# Allegro board F103_TUBE_CLOCK_V10A.brd
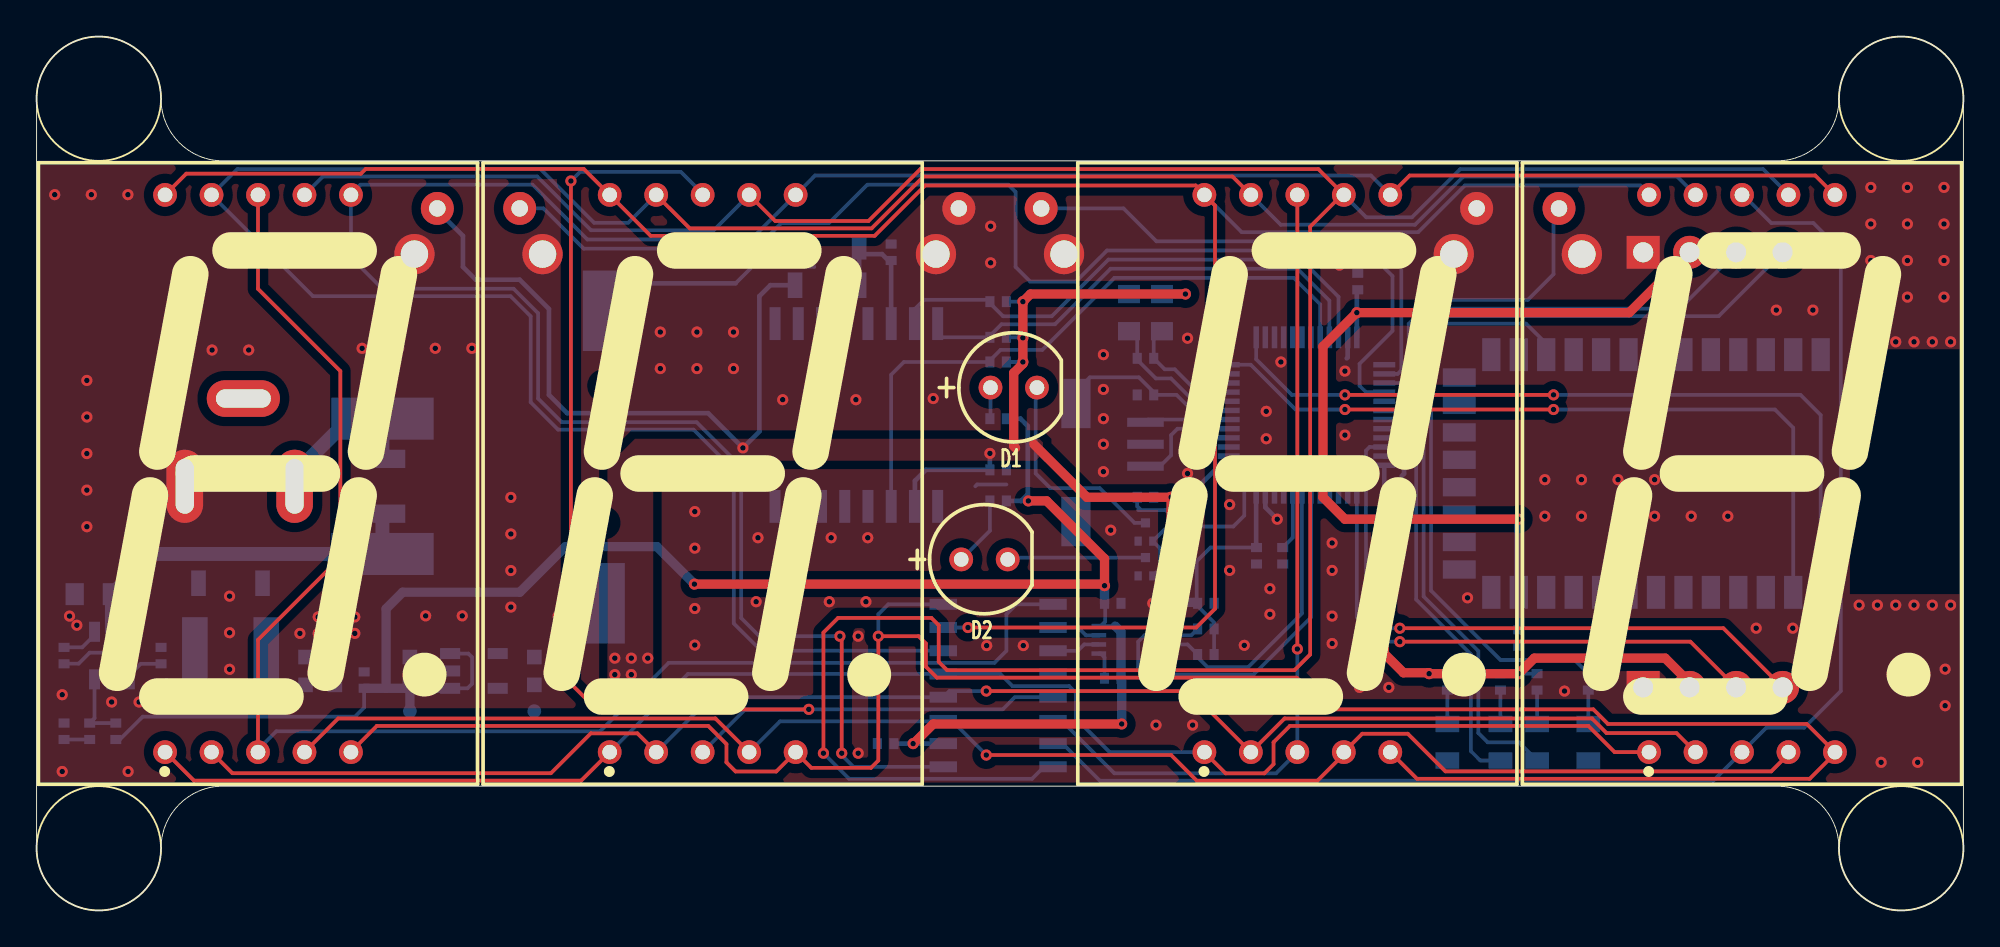
[diagram p0: board, top side]
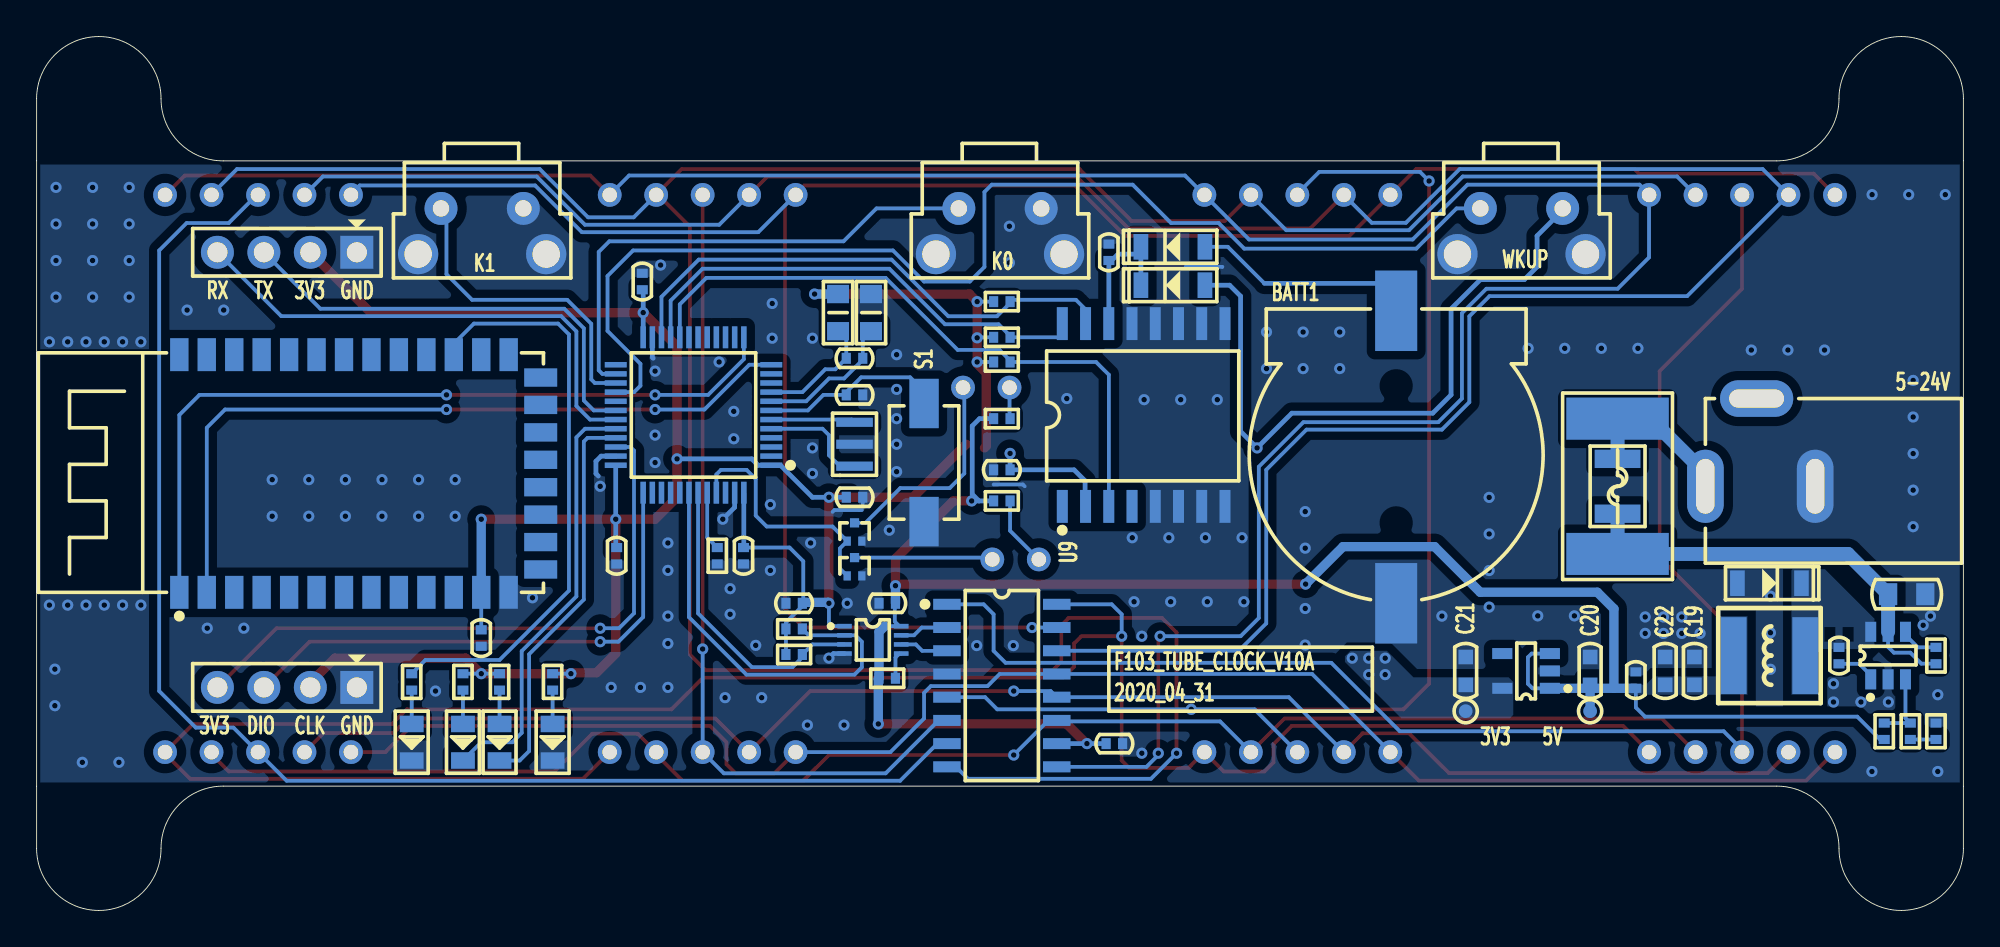
[diagram p1: board, bottom side, seen from below]

Outline 105.3 x 47.8 mm; copper layers: TOP, BOTTOM. Coordinates in mm from the lower left corner of the outline.
Outline path: 0,44.4 0,3.4 arc(1,1) 3.4,0 arc(5.8,1) 6.8,3.4 arc(7.8,5.8) 10.2,6.8 95.1,6.8 arc(97.5,5.8) 98.5,3.4 arc(99.5,1) 101.9,0 arc(104.3,1) 105.3,3.4 105.3,44.4 arc(104.3,46.8) 101.9,47.8 arc(99.5,46.8) 98.5,44.4 arc(97.5,42) 95.1,41 10.2,41 arc(7.8,42) 6.8,44.4 arc(5.8,46.8) 3.4,47.8 arc(1,46.8) 0,44.4

## Design rules (mm)
constraint set DEFAULT: min track width 0.203, pair gap 0.203

## Placement (name value [footprint] x y rotation side)
BATT1  -  [CR1220HOLDER-SMD]  31 24.8 0 bottom
C1  100nF_50V  [C0402]  63.9 16.8 180 bottom
C2  100nF_50V  [C0402]  58.81 16.8 180 bottom
C3  100nF_50V  [C0402]  46.4 9.12 180 bottom
C4  100nF_50V  [C0402]  73.6 19.4 90 bottom
C5  100nF_50V  [C0402]  66.67 19.4 90 bottom
C6  100nF_50V  [C0402]  81 14.9 90 bottom
C7  100nF_50V  [C0402]  72.2 34.4 270 bottom
C8  100nF_50V  [C0402]  60.6 30.2 0 bottom
C9  100nF_50V  [C0402]  60.6 28.2 180 bottom
C10  100nF_50V  [C0402]  52.55 24.1 180 bottom
C11  100nF_50V  [C0402]  46.7 36 90 bottom
C12  100nF_50V  [C0402]  60.6 22.6 0 bottom
C13  10nF_50V  [C0402]  6.8 13.94 90 bottom
C15  100nF_50V  [C0402]  17.9 12.6 90 bottom
C16  10uF_25V  [C0805]  3.1 17.3 180 bottom
C19  10uF_10V  [C0603]  14.7 13.1 90 bottom
C20  10uF_10V  [C0603]  20.4 13.1 90 bottom
C21  10uF_10V  [C0603]  27.2 13.1 90 bottom
C22  10uF_10V  [C0603]  16.3 13.1 90 bottom
D1  LED_GREEN  [LED-5R0X5R0]  53.4 28.6 0 top
D2  LED_GREEN  [LED-5R0X5R0]  51.8 19.2 0 top
D3  LED_GREEN  [LED0805]  82 9.2 270 bottom
D4  LED_GREEN  [LED0805]  80 9.2 270 bottom
D5  LED_GREEN  [LED0805]  77.1 9.2 270 bottom
D6  LED_GREEN  [LED0805]  84.8 9.2 270 bottom
D7  LMBR0520T1G  [SOD123]  10.6 17.9 0 bottom
D8  LMBR0520T1G  [SOD123]  43.2 34.2 180 bottom
D9  LMBR0520T1G  [SOD123]  43.2 36.3 180 bottom
DC1  -  [DC005]  8.1 23.2 0 bottom
F1  SMD150L  [FUSE2920]  18.9 23.2 270 bottom
F2  SMD1210-010-60V/NI  [FUSE1210]  18.9 23.2 270 bottom
J1  -  [CN1X4-2P54-Z]  87.8 12.2 0 bottom
J2  -  [CN1X4-2P54-Z]  87.8 36 0 bottom
L1  SWPA5020S4R7  [L5020]  10.6 13.94 0 bottom
L2  BLM21PG600  [L0805]  61.5 32.7 270 bottom
L3  BLM21PG600  [L0805]  59.7 32.7 270 bottom
NOREF  -  []  0 0 90 top
NOREF#2  -  []  0 0 0 top
NOREF#3  -  []  -0.21 0 0 top
Q1  DTC043ZMT2L  [SOT723]  60.6 18.8 180 bottom
Q2  DTC043ZMT2L  [SOT723]  60.6 20.7 180 bottom
R1  4.7K  [R0402]  63.9 14 180 bottom
R2  4.7K  [R0402]  63.9 15.4 180 bottom
R3  100K/NI  [R0402]  58.81 12.7 180 bottom
R5  1K  [R0402]  52.55 22.4 180 bottom
R6  1K  [R0402]  52.55 26.9 180 bottom
R8  10K  [R0402]  82 12.5 270 bottom
R9  10K  [R0402]  68.1 19.4 270 bottom
R10  10K  [R0402]  80 12.5 270 bottom
R12  10K  [R0402]  77.1 12.5 270 bottom
R13  4.7K  [R0402]  52.55 33.3 180 bottom
R14  4.7K  [R0402]  52.55 31.35 180 bottom
R15  10K  [R0402]  52.55 30 0 bottom
R16  10K  [R0402]  84.8 12.5 270 bottom
R19  100K  [R0402]  1.5 13.94 90 bottom
R20  49.9K  [R0402]  4.33 9.8 90 bottom
R21  6.2K  [R0402]  2.9 9.8 270 bottom
R22  10K  [R0402]  1.5 9.8 90 bottom
S1  3*6*2.5  [KEY-2P-SMD-6R2X3R8X2R5]  56.8 24.5 90 bottom
SW1  KEY1  [SW-6X6X6-L]  21.9 38.4 0 bottom
SW2  KEY1  [SW-6X6X6-L]  50.4 38.4 0 bottom
SW3  KEY1  [SW-6X6X6-L]  78.7 38.4 0 bottom
TP1  TestPoint/NI  [TP-0R75]  20.4 10.9 180 bottom
TP2  TestPoint/NI  [TP-0R75]  27.2 10.9 180 bottom
U2  -  [ST72151105W]  12.1 23.9 0 top
U3  -  [ST72151105W]  36.4 23.9 0 top
U4  -  [ST72151105W]  68.9 23.9 0 top
U5  -  [ST72151105W]  93.2 23.9 0 top
U6  TCA9517ADGKR  [VSSOP8]  59.6 14.8 270 bottom
U7  TM1650  [SOP16_150]  52.55 12.3 270 bottom
U8  -  [HC-06]  97.5 17.4 90 bottom
U9  DS3231SN#  [SOIC16_300]  44.8 27.1 180 bottom
U10  MP2359DJ-LF-Z  [SOT23-6]  4.12 13.94 180 bottom
U11  RT9193-33GB  [SOT23-5]  23.9 13.1 90 bottom
U12  STM32F103C8T6  [LQFP48-7X7-0R5]  69.4 27.1 90 bottom
X1  CSTCE8M00G15C99-R0  [X-3P-3R2X1R3-SMD]  60.6 25.5 90 bottom

## Library data of the parts
BATT1 = JMP-2_0
C1-C8 C10-C13 = CAP NP_2
C9 C15 C19-C22 = CAP NP
C16 = CAP NP_3
D1-D6 = LED_4
D7-D9 = DIODE13_7
DC1 = DC005
F1 F2 = FUSE
J1 J2 = CONN RCPT 4
L1 = INDUCTOR_0
L2 L3 = IND_BEAD_0805_600OHM_1
Q1 Q2 = DTC043ZMT2L
R1-R3 R5 R6 R8-R10 R12-R16 R19-R22 = R_Generic
S1 = SW PUSHBUTTON_0
SW1-SW3 = SWITCH-SPST-4P
TP1 TP2 = TestPoint
U2-U5 = ST72151105W_0
U6 = TCA9517ADGKR
U7 = TM1650
U8 = HC-06_0
U9 = DS3131SN+
U10 = MP2359DJ-LF-Z
U11 = SPX3819M5-L-1-2
U12 = STM32F103C8T6
X1 = XTAL_5032_0

## Footprints (pads in the part's own frame, mm; a bottom-side part is the same pattern mirrored in y, then rotated)
C0402
  rect 0.5x0.6 smd: 1(-0.45,0) 2(0.45,0)
C0603
  rect 0.8x0.8 smd: 1(-0.762,0) 2(0.762,0)
C0805
  rect 1x1.2 smd: 1(-1.016,0) 2(1.016,0)
CN1X4-2P54-Z
  rect 1.8x1.8 hole 1.1: 1(0,0)
  round 1.8 hole 1.1: 2(2.54,0) 3(5.08,0) 4(7.62,0)
CR1220HOLDER-SMD
  rect 2.3x4.4 smd: 1(0,-8) 2(0,8)
DC005
  oval 2x4 hole 1x3: 1(6,0) 2(0,0)
  oval 4x2 hole 3x1: 3(3.2,-4.8)
FUSE1210
  rect 1x2.5 smd: 1(-1.5,0) 2(1.5,0)
FUSE2920
  rect 2.3x5.6 smd: 1(-3.7,0) 2(3.7,0)
HC-06
  rect 1.8x1 smd: 1(0,0) 2(0,-1.5) 3(0,-3) 4(0,-4.5) 5(0,-6) 6(0,-7.5) 7(0,-9) 8(0,-10.5) 9(0,-12) 10(0,-13.5) 11(0,-15) 12(0,-16.5) 13(0,-18) 22(13,-18) 23(13,-16.5) 24(13,-15) 25(13,-13.5) 26(13,-12) 27(13,-10.5) 28(13,-9) 29(13,-7.5) 30(13,-6) 31(13,-4.5) 32(13,-3) 33(13,-1.5) 34(13,0)
  rect 1x1.8 smd: 14(1.25,-19.75) 15(2.75,-19.75) 16(4.25,-19.75) 17(5.75,-19.75) 18(7.25,-19.75) 19(8.75,-19.75) 20(10.25,-19.75) 21(11.75,-19.75)
KEY-2P-SMD-6R2X3R8X2R5
  rect 2.7x1.6 smd: 1(-3.23,0) 2(3.23,0)
L0805
  rect 1x1.2 smd: 1(-1.016,0) 2(1.016,0)
L5020
  rect 1.4x4.2 smd: 1(-1.95,0) 2(1.95,0)
LED0805
  rect 0.9x1.3 smd: 1(-1,0) 2(1,0)
LED-5R0X5R0
  round 1.3 hole 0.8: 1(-1.27,0) 2(1.27,0)
LQFP48-7X7-0R5
  rect 0.3x1.2 smd: 1(-2.75,-4.25) 2(-2.25,-4.25) 3(-1.75,-4.25) 4(-1.25,-4.25) 5(-0.75,-4.25) 6(-0.25,-4.25) 7(0.25,-4.25) 8(0.75,-4.25) 9(1.25,-4.25) 10(1.75,-4.25) 11(2.25,-4.25) 12(2.75,-4.25) 25(2.75,4.25) 26(2.25,4.25) 27(1.75,4.25) 28(1.25,4.25) 29(0.75,4.25) 30(0.25,4.25) 31(-0.25,4.25) 32(-0.75,4.25) 33(-1.25,4.25) 34(-1.75,4.25) 35(-2.25,4.25) 36(-2.75,4.25)
  rect 1.2x0.3 smd: 13(4.25,-2.75) 14(4.25,-2.25) 15(4.25,-1.75) 16(4.25,-1.25) 17(4.25,-0.75) 18(4.25,-0.25) 19(4.25,0.25) 20(4.25,0.75) 21(4.25,1.25) 22(4.25,1.75) 23(4.25,2.25) 24(4.25,2.75) 37(-4.25,2.75) 38(-4.25,2.25) 39(-4.25,1.75) 40(-4.25,1.25) 41(-4.25,0.75) 42(-4.25,0.25) 43(-4.25,-0.25) 44(-4.25,-0.75) 45(-4.25,-1.25) 46(-4.25,-1.75) 47(-4.25,-2.25) 48(-4.25,-2.75)
R0402
  rect 0.5x0.6 smd: 1(-0.45,0) 2(0.45,0)
SOD123
  rect 0.8x1.4 smd: 1(1.75,0) 2(-1.75,0)
SOIC16_300
  rect 0.6x1.8 smd: 1(-4.445,-5) 2(-3.175,-5) 3(-1.905,-5) 4(-0.635,-5) 5(0.635,-5) 6(1.905,-5) 7(3.175,-5) 8(4.445,-5) 9(4.445,5) 10(3.175,5) 11(1.905,5) 12(0.635,5) 13(-0.635,5) 14(-1.905,5) 15(-3.175,5) 16(-4.445,5)
SOP16_150
  rect 0.6x1.5 smd: 1(-4.445,-3) 2(-3.175,-3) 3(-1.905,-3) 4(-0.635,-3) 5(0.635,-3) 6(1.905,-3) 7(3.175,-3) 8(4.445,-3) 9(4.445,3) 10(3.175,3) 11(1.905,3) 12(0.635,3) 13(-0.635,3) 14(-1.905,3) 15(-3.175,3) 16(-4.445,3)
SOT23-5
  rect 0.6x1.1 smd: 1(-0.95,-1.3) 2(0,-1.3) 3(0.95,-1.3) 4(0.95,1.3) 5(-0.95,1.3)
SOT23-6
  rect 0.6x1.1 smd: 1(-0.95,-1.3) 2(0,-1.3) 3(0.95,-1.3) 4(0.95,1.3) 5(0,1.3) 6(-0.95,1.3)
SOT723
  rect 0.4x0.5 smd: 1(-0.4,-0.5) 2(0.4,-0.5)
  rect 0.5x0.5 smd: 3(0,0.5)
ST72151105W
  round 1.3 hole 0.8: 1(-5.08,-15.24) 2(-2.54,-15.24) 3(0,-15.24) 4(2.54,-15.24) 5(5.08,-15.24) 6(5.08,15.24) 7(2.54,15.24) 8(0,15.24) 9(-2.54,15.24) 10(-5.08,15.24)
SW-6X6X6-L
  round 2.2 hole 1.5: 1(-1.25,2.5) 4(5.75,2.5)
  round 1.8 hole 0.9: 2(0,0) 3(4.5,0)
TP-0R75
  round 0.75 smd: 1(0,0)
VSSOP8
  rect 0.25x0.8 smd: 1(-0.75,-1.55) 2(-0.25,-1.55) 3(0.25,-1.55) 4(0.75,-1.55) 5(0.75,1.55) 6(0.25,1.55) 7(-0.25,1.55) 8(-0.75,1.55)
X-3P-3R2X1R3-SMD
  rect 0.5x2 smd: 1(-1.2,0) 2(0,0) 3(1.2,0)

## Nets
GND: BATT1.2 C1.1 C2.1 C3.2 C4.1 C5.1 C6.1 C7.1 C9.2 C10.1 C11.2 C12.1 C15.2 C16.2 C19.2 C20.2 C21.2 C22.2 D5.2(CATHODE) D6.2(CATHODE) D7.1 DC1.2 J1.1 J2.1 L3.1 Q1.2 Q2.2 R9.2 R22.2 S1.1 SW1.1 SW1.4 SW2.1 SW2.2 SW2.4 SW3.1 SW3.2 SW3.4 U6.4 U7.4 U8.13 U9.5 U9.6 U9.7 U9.8 U9.9 U9.10 U9.11 U9.12 U9.13 U10.2 U11.2 U12.23 U12.35 U12.47(VSS_3) X1.2
VCC_3.3V: C1.2 C4.2 C5.2 C6.2 C7.2 C10.2 C12.2 C21.1 D8.1 J1.2 J2.2 L2.1 R1.1 R2.1 R8.1 R10.1 R12.1 R13.1 R14.1 R15.2 SW1.2 TP2.1 U6.1 U8.12(VCC) U9.2(VCC_2) U11.5(VOUT) U12.1 U12.24 U12.36 U12.48
VCC_5V: C2.2 C3.1 C15.1 C19.1 C20.1 C22.1 L1.2 R3.1 R5.1 R6.1 R20.1 TP1.1 U6.8(VCC_B) U7.10(VDD) U11.1 U11.3
VCC_IN: C16.1 F1.2 F2.2 R19.1 U10.5
VDDA: C8.2 L2.2(B) U12.9
VSSA: C8.1 L3.2(B) U12.8
A: U2.7 U3.7 U4.7 U5.7 U7.8
B: U2.6 U3.6 U4.6 U5.6 U7.9
BOOT0: R9.1 U12.44
C: U2.4 U3.4 U4.4 U5.4 U7.11
D: U2.2 U3.2 U4.2 U5.2 U7.12
DIG1: U2.3 U2.8 U7.1
DIG2: U3.3 U3.8 U7.5
DIG3: U4.3 U4.8 U7.6
DIG4: U5.3 U5.8 U7.7
DP: U2.5 U3.5 U4.5 U5.5 U7.16
DP_LED: Q1.1 Q2.1 U12.45
DS3231_INT#: R15.1 U9.3 U12.20
DS3231_SCL: R14.2 U9.16 U12.21
DS3231_SDA: R13.2 U9.15 U12.22
E: U2.1 U3.1 U4.1 U5.1 U7.13
F: U2.9 U3.9 U4.9 U5.9 U7.14
G: U2.10(G) U3.10(G) U4.10(G) U5.10(G) U7.15
IIC_SCL: R2.2 U6.2 U12.42
IIC_SDA: R1.2 U6.3 U12.43
KEY0: SW2.3 U12.26
KEY1: SW3.3 U12.27
LED0: D3.2(CATHODE) U12.32
LED1: D4.2(CATHODE) U12.33
NRST: C9.1 S1.2 U12.7
OSC_IN: U12.5 X1.1
OSC_OUT: U12.6 X1.3
SWCLK: J1.3 U12.37
SWDIO: J1.4 U12.34
TM1650_SCL: U6.7 U7.2
TM1650_SDA: U6.6 U7.3
USART1_RX: J2.4 U12.31
USART1_TX: J2.3 U12.30
USART2_RX: U8.1 U12.13
USART2_TX: U8.2 U12.12
WK_UP: SW1.3 U12.28
N17026698: D4.1 R10.2
N17026724: D5.1 R12.2
N17062865: D3.1 R8.2
N17067272: C13.2 D7.2(CATHODE) L1.1 U10.6(SW)
N17067274: C13.1 U10.1
N17067388: R20.2 R21.1 U10.3
N17067392: R19.2 U10.4
N17068207: R21.2 R22.1
N17069780: D6.1 R16.2
N17069783: R16.1 U8.24
N17087771: C11.1 D8.2(CATHODE) D9.2(CATHODE) U9.14
N17089700: R3.2 U6.5
N17094891: DC1.1 F1.1 F2.1
N17114620: BATT1.1 D9.1
N170995481: D2.1 R5.2
N170995561: D2.2(CATHODE) Q1.3
N170997971: D1.1 R6.2
N170998051: D1.2(CATHODE) Q2.3

Pads without a net: DC1 3; U8 3 4 5 6 7 8 9 10 11 14 15 16 17 18 19 20 21 22 23 25 26 27 28 29 30 31 32 33 34; U9 1 4; U11 4; U12 2 3 4 10 11 14 15 16 17 18 19 25 29 38 39 40 41 46

## Via types
v1: diameter 0.61, hole 0.305, TOP to BOTTOM, 194 vias

## Routing (per net, layer and track width the routed paths; a pad name or vN(x,y) marks a point on that pad's centre or on a via; arc(x,y) is an arc through that point)
GND: length 12.1
  BOTTOM w0.203: 60.35,21.9 60.15,22.1 C12.1 ; 60.35,21.9 61.7,21.9 61.8,21.8 ; 60.35,21.9 60.2,21.9 ; 42.5,35.2 42.5,35.2 40.5,35.2 40.5,35.2 ; 51.3,23.2 51.4,23.3 53,23.3
  BOTTOM w0.254: 71.6,30.2 71.65,30.25 U12.23 ; 74.6,23.76 74.73,23.89 74.73,24.57 74.45,24.85 U12.35 ; v1(67.8,21.4) 67.15,22.05 U12.47 ; U6.4 61.75,14.05 v1(62,13.8)
  vias: v1(0.99,39.15) v1(1.4,11.8) v1(1.4,7.6) v1(1.8,16.1) v1(2.2,15.6) v1(2.75,28.99) v1(2.75,26.99) v1(2.75,24.99) v1(2.75,22.99) v1(2.75,20.99) v1(2.99,39.15) v1(4.1,11.4) v1(4.99,39.15) v1(5,7.6) v1(5.6,11.4) v1(7.1,12.4) v1(7.1,11.4) v1(7.59,30.65) v1(9.59,30.65) v1(10.55,17.19) v1(10.55,15.19) v1(10.55,13.19) v1(11.59,30.65) v1(14.39,15.15) v1(15.39,16.05) v1(15.39,15.15) v1(16.39,16.05) v1(16.39,15.15) v1(17.39,16.05) v1(17.39,15.15) v1(17.79,30.75) v1(19.79,30.75) v1(21.26,16.11) v1(21.79,30.75) v1(23.26,16.11) v1(23.79,30.75) v1(25.92,22.59) v1(25.92,20.59) v1(25.92,18.59) v1(25.92,16.59) v1(28.5,16.1) v1(34.09,31.64) v1(34.09,29.64) v1(35.97,21.82) v1(35.97,19.82) v1(35.97,16.52) v1(35.97,14.52) v1(36.09,31.64) v1(36.09,29.64) v1(38.09,31.64) v1(38.09,29.64) v1(39.32,16.89) v1(39.42,20.39) v1(40.77,27.94) v1(41.32,16.89) v1(41.42,20.39) v1(42.77,27.94) v1(43.32,16.89) v1(43.42,20.39) v1(44.77,27.94) v1(44.9,15) v1(44.9,8.6) v1(45.32,16.89) v1(45.42,20.39) v1(49,28) v1(51.92,14.49) v1(52.14,37.42) v1(52.14,35.42) v1(53.92,14.49) v1(58.3,30.4) v1(58.3,28.5) v1(58.3,26.9) v1(58.3,25.5) v1(58.3,24) v1(58.7,20.8) v1(61,16.8) v1(61.17,10.14) v1(62.9,31.3) v1(62.9,25.3) v1(62.9,23.9) v1(63,20.1) v1(63.17,10.14) v1(65.1,33.2) v1(65.1,31.3) v1(65.2,22.2) v1(65.2,18.6) v1(65.67,11.64) v1(66,14.5) v1(67.2,27.3) v1(67.2,25.8) v1(67.4,17.6) v1(67.4,16.2) v1(67.67,11.64) v1(68,30) v1(70.8,20.1) v1(70.8,18.6) v1(70.8,16.1) v1(70.8,14.6) v1(70.8,12.2) v1(71.2,35.3) v1(71.5,29.5) v1(71.5,26) v1(71.5,24.5) v1(72.3,12.2) v1(73.9,12.2) v1(74.5,23.2) v1(78.2,17.1) v1(82.43,23.56) v1(82.43,21.56) v1(83.5,12) v1(84.43,23.56) v1(84.43,21.56) v1(86.43,23.56) v1(86.43,21.56) v1(88.43,23.56) v1(88.43,21.56) v1(90.43,23.56) v1(90.43,21.56) v1(92.43,23.56) v1(92.43,21.56) v1(93.97,15.44) v1(95.08,32.84) v1(95.97,15.44) v1(97.08,32.84) v1(99.6,31.1) v1(99.6,16.7) v1(100.24,39.55) v1(100.24,37.55) v1(100.24,35.55) v1(100.24,33.55) v1(100.6,31.1) v1(100.6,16.7) v1(100.8,8.1) v1(101.6,31.1) v1(101.6,16.7) v1(102.24,39.55) v1(102.24,37.55) v1(102.24,35.55) v1(102.24,33.55) v1(102.6,31.1) v1(102.6,16.7) v1(102.8,8.1) v1(103.6,31.1) v1(103.6,16.7) v1(104.24,39.55) v1(104.24,37.55) v1(104.24,35.55) v1(104.24,33.55) v1(104.3,13.2) v1(104.3,11.2) v1(104.6,31.1) v1(104.6,16.7)
VCC_3.3V: length 189.7
  TOP w0.508: J1.2 90.34,12.46 89,13.8 81.85,13.8 v1(81,12.95) v1(76.1,12.95) 76.05,13 74.7,13 73.65,14.05 v1(73.65,21.4) ; v1(73.65,21.4) v1(81,21.4) ; v1(73.65,21.4) 71.5,21.4 70.3,22.6 v1(70.3,24.7) 70.3,30.85 v1(72.15,32.7) 87.04,32.7 J2.2 ; v1(62.78,33.72) 54.32,33.72 v1(53.9,33.3) v1(53.9,31.32) v1(53.9,30) 53.9,29.9 53.4,29.4 53.4,25.4 53.5,25.3 ; v1(62,16.8) v1(62,22.6) 57.4,22.6 54.5,25.5
  BOTTOM w0.203: R12.1 v1(76.1,12.95) ; 63.4,16.85 63.4,19.1 64.15,19.85 C5.2 ; v1(53.9,31.32) 53.87,31.35 R14.1 ; R15.2 v1(53.9,30) ; U6.1 61.8,15.55 62,15.75 v1(62,16.8) C1.2 63.45,16.65 64.35,15.75 R2.1 R1.1 ; R13.1 v1(53.9,33.3) ; C6.2 U8.12 ; R10.1 v1(81,12.95) R8.1
  BOTTOM w0.254: U12.36 v1(73.65,21.4) 73.65,19.9 C4.2 ; v1(70.3,24.7) 66.22,24.7 65.87,24.35 U12.1 64.65,24.35 62.9,22.6 v1(62,22.6) C12.2 ; v1(52.1,25) C10.2 48.6,24.1 48,23.5 48,22.12 47.98,22.1 ; U12.48 66.65,19.87 C5.2 ; C7.2 72.15,33.9 v1(72.15,32.7) U12.24 ; D8.1 40.1,34.2 39.5,33.6 39.5,26.2 v1(38.6,25.3) 36.7,27.2 29,27.2 28,28.2 28,32.9 26.4,34.5 24,34.5 23.3,35.2 23.3,36.9 21.9,38.3 SW1.2
  BOTTOM w0.508: 63.4,16.85 62.05,16.85 v1(62,16.8) ; U8.12 v1(81,21.4) ; L2.1 v1(62.78,33.72)
  vias: v1(31.6,13.8) v1(31.6,12.9) v1(32.5,13.8) v1(32.5,12.9) v1(33.4,13.8)
VCC_5V: length 108.6
  TOP w0.203: v1(59.3,10.2) 59.2,10.2
  TOP w0.508: v1(54.2,22.4) 55.2,22.4 58.36,19.24 v1(58.36,17.76) 58.27,17.85 v1(35.95,17.85) ; v1(47.9,9.12) 47.92,9.12 49,10.2 59.2,10.2
  BOTTOM w0.203: C15.1 17.9,11.1 17.4,10.6 5.8,10.6 4.55,9.35 R20.1 ; C2.2 58.4,16.76 58.4,15.8 58.15,15.55 ; U11.1 23.55,12.15 23.8,12.4 23.8,13.85 23.6,14.05 U11.3 ; U6.8 58.15,15.55 ; 58.15,15.55 58.95,15.55
  BOTTOM w0.254: v1(54.2,22.4) 53.8,22.4 ; 53.8,22.4 R5.1 ; 53.8,22.4 54.17,22.77 54.17,26.5 53.77,26.9 R6.1 ; U7.10 v1(47.9,9.12) C3.1
  BOTTOM w0.508: C20.1 20.59,12.15 U11.1 ; C20.1 20.21,12.15 19.1,12.15 ; C20.1 TP1.1 ; 19.1,12.15 19.1,16.5 20.01,17.41 26.41,17.41 28.9,19.9 33.9,19.9 v1(35.95,17.85) ; 19.1,12.15 C15.1 ; v1(59.3,10.2) 59.3,12.66 R3.1 59.26,15.24 58.95,15.55 ; v1(58.36,17.76) C2.2
VCC_IN: length 23.8
  BOTTOM w0.203: R19.1 1.51,13.5 2.3,13.5 2.9,14.1 3.8,14.1 4.12,14.42 U10.5
  BOTTOM w0.762: U10.5 C16.1 6.32,19.5 F1.2 F2.2
VDDA: length 6.5
  BOTTOM w0.203: U12.9 63.45,28.35 62.2,29.6 61.65,29.6 C8.2 61.05,31.23 L2.2
VSSA: length 7.7
  BOTTOM w0.203: U12.8 63.24,27.85 61.99,29.1 61.17,29.1 60.15,30.12 C8.1 60.15,31.23 L3.2
A: length 163.7
  TOP w0.203: U3.7 40.37,37.71 45.46,37.71 48.3,40.55 70.05,40.55 71.44,39.16 U4.7 71.34,39.14 69.6,37.4 69.6,14 68.74,13.14 49.76,13.14 49.3,13.6 49.3,15.6 48.9,16 43.8,16 43,15.2 v1(43,8.6)
  BOTTOM w0.203: U5.7 95.74,39.16 94.35,40.55 77.8,40.55 75.16,37.91 72.67,37.91 U4.7 ; v1(43,8.6) 44.4,7.2 54.4,7.2 55.05,7.86 U7.8 ; U2.7 15.65,40.15 27.36,40.15 30.3,37.21 37.01,37.21 U3.7
B: length 144
  TOP w0.203: U5.6 98.26,39.14 97.2,40.2 75.04,40.2 U4.6 ; v1(43.9,15) 44,14.9 v1(44,8.6)
  BOTTOM w0.203: U7.9 44.65,7.86 44,8.5 v1(44,8.6) ; U4.6 72.92,40.2 42.54,40.2 U3.6 39.04,36.7 30.1,36.7 27.1,39.7 17.7,39.7 17.18,39.18 U2.6 17.18,35.72 18.89,34.01 26.07,34.01 27.41,32.67 27.41,28 28.7,26.71 36.07,26.71 38.51,24.27 38.51,15.99 39.5,15 v1(43.9,15)
BOOT0: length 3.2
  BOTTOM w0.203: U12.44 68.65,20.4 R9.1
C: length 87.2
  TOP w0.203: U5.4 95.74,8.55 94.8,7.61 76.99,7.61 74.93,9.67 72.45,9.67 U4.4 71.44,8.54 69.99,7.09 63.41,7.09 62,8.5 v1(51.9,8.5) ; U3.4 37.1,10.5 16.48,10.5 U2.4
  BOTTOM w0.203: v1(51.9,8.5) 50.01,10.39 U7.11 49.49,10.34 40.62,10.34 U3.4
D: length 87.2
  TOP w0.203: U2.2 9.56,8.65 10.7,7.51 28.11,7.51 30.29,9.69 32.83,9.69 U3.2 ; v1(51.9,12) 63.02,12 U4.2 68.2,10.5 85,10.5 85.8,9.7 89.62,9.7 U5.2
  BOTTOM w0.203: v1(51.9,12) 49.88,12 49.55,11.66 36.87,11.66 U3.2
DIG1: length 82.3
  TOP w0.203: U2.8 12.1,34 16.6,29.5 16.6,19.3 12.1,14.8 U2.3
  BOTTOM w0.203: U2.3 12.1,8.8 13.1,9.8 30.8,9.8 34.54,13.54 52.34,13.54 53,14.2 53,16.2 53.55,16.75 U7.1
DIG2: length 73
  TOP w0.203: v1(42.2,11) 30.6,11 29.2,12.4 v1(29.2,39.9)
  BOTTOM w0.203: v1(42.2,11) 42.16,10.96 38.7,10.96 ; v1(42.2,11) 38.74,11 38.7,10.96 ; v1(42.2,11) 52.8,11 53.47,11.66 55.55,11.66 ; 38.7,10.96 U3.3 ; U3.8 36.4,39.2 35.2,40.4 29.7,40.4 v1(29.2,39.9)
DIG3: length 45.5
  TOP w0.203: v1(68.9,14.3) U4.8
  BOTTOM w0.203: v1(68.9,14.3) U4.3 67.74,7.5 58.9,7.5 56.01,10.39 U7.6
DIG4: length 76.7
  BOTTOM w0.203: U5.8 93.26,39.14 94.8,37.6 97.1,37.6 98.6,36.1 98.6,12 96.6,10 94.54,10 U5.3 91.63,7.09 58.11,7.09 56.08,9.12 U7.7
DP: length 125
  TOP w0.203: U4.5 75.44,7.2 96.9,7.2 98.28,8.58 U5.5 96.74,10.2 85.87,10.2 85.07,11 70.6,11 68.87,12.73 49.2,12.73 48.6,13.33 48.6,14.6 48.2,15 v1(46,15) 46,8.2 45.6,7.8 42.34,7.8 U3.5 40.42,7.6 38.2,7.6 37.7,8.1 37.7,9.1 36.71,10.09 18.59,10.09 17.18,8.68 U2.5
  BOTTOM w0.203: U7.16 46.55,16.75 46,16.2 v1(46,15)
DP_LED: length 13.3
  BOTTOM w0.203: U12.45 68.15,23.85 67.9,24.1 66.5,24.1 66,23.6 66,21.6 65.4,21 61.8,21 Q2.1 61.4,19.8 61.4,18.7 Q1.1
DS3231_INT#: length 35.3
  BOTTOM w0.203: U9.3 46.7,22.11 46.7,29.3 47.4,30 R15.1 52.1,30.08 52.68,30.66 54.96,30.66 58.9,34.6 68.7,34.6 70.15,33.15 U12.20
DS3231_SCL: length 26.4
  BOTTOM w0.203: U9.16 49.24,31.55 49.45,31.35 R14.2 52.1,31.43 52.73,32.06 55.66,32.06 58.69,35.1 68.91,35.1 70.65,33.36 U12.21
DS3231_SDA: length 28.9
  BOTTOM w0.203: 47.98,32.1 47.98,32.88 48.5,33.4 52,33.4 R13.2 52.1,33.22 52.82,32.5 55.47,32.5 58.57,35.6 69.11,35.6 71.15,33.56 U12.22
E: length 89.6
  TOP w0.203: U4.1 64.98,7.5 67.1,7.5 67.6,8 67.6,9.2 68.49,10.09 84.81,10.09 86.24,8.66 U5.1 ; U2.1 7.04,8.66 8.6,7.1 29.76,7.1 U3.1
  BOTTOM w0.203: U3.1 35.59,12.94 U7.13 52.66,12.94 53.33,12.27 56.43,12.27 56.8,11.9 56.8,10.5 58.64,8.66 U4.1
F: length 146.1
  TOP w0.203: U3.9 35.69,37.31 45.63,37.31 48.47,40.15 65.35,40.15 U4.9
  BOTTOM w0.203: U4.9 67.99,37.51 75.33,37.51 77.97,40.15 89.65,40.15 U5.9 ; U7.14 39.59,14.21 38.1,15.7 38.1,24.1 35.9,26.3 28.5,26.3 27,27.8 27,32.5 25.9,33.6 15.1,33.6 U2.9 10.97,40.55 27.53,40.55 30.47,37.61 32.33,37.61 U3.9
G: length 124.9
  TOP w0.203: U2.10 8.18,40.3 17.73,40.3 17.99,40.56 29.9,40.56 U3.10 33.56,36.9 45.8,36.9 48.56,39.66 63.34,39.66 63.82,39.18 U4.10 64.4,38.56 64.4,16.5 63.38,15.47 v1(50.9,15.47)
  BOTTOM w0.203: U5.10 88.12,39.18 87.64,39.66 78.06,39.66 75.5,37.1 65.86,37.1 U4.10 ; v1(50.9,15.47) U7.15
IIC_SCL: length 22.7
  BOTTOM w0.203: R2.2 63.1,15.05 U6.2 60.55,15.05 60.2,14.7 60.2,13.3 60.6,12.9 66.51,12.9 69.65,16.04 U12.42
IIC_SDA: length 16.4
  BOTTOM w0.203: U12.43 69.15,16.25 66.21,13.31 63.99,13.31 63.45,13.85 R1.2 62.9,14.55 U6.3
KEY0: length 28.2
  BOTTOM w0.203: SW2.3 59.4,38.4 61.2,36.6 74,36.6 74.58,36.02 74.58,29.55 74.38,29.35 U12.26
KEY1: length 17.2
  BOTTOM w0.203: U12.27 74.79,28.85 74.99,29.05 74.99,32.09 76.3,33.4 81.5,33.4 82.9,34.8 82.9,38.1 SW3.3
LED0: length 23.6
  BOTTOM w0.203: U12.32 75.32,26.35 75.8,25.87 75.8,17.17 78.79,14.19 78.79,9.71 79.3,9.2 81,9.2 D3.2
LED1: length 21.8
  BOTTOM w0.203: D4.2 78.9,8.2 78.38,8.72 78.38,14.02 75.39,17.01 75.39,25.65 75.19,25.85 U12.33
NRST: length 10.2
  BOTTOM w0.203: U12.7 63.15,27.35 62.3,28.2 C9.1 61.05,28.35 60.24,29.16 57.56,29.16 56.8,28.4 S1.2
OSC_IN: length 6
  BOTTOM w0.203: X1.1 61.4,24.3 62,24.9 62,26 62.35,26.35 U12.5
OSC_OUT: length 4.6
  BOTTOM w0.203: U12.6 60.75,26.85 X1.3
SWCLK: length 29.1
  TOP w0.203: v1(74.5,14.7) 90.38,14.7 J1.3
  BOTTOM w0.203: U12.37 72.15,16.05 73.5,14.7 v1(74.5,14.7)
SWDIO: length 34.4
  TOP w0.203: v1(74.5,15.44) 92.18,15.44 J1.4
  BOTTOM w0.203: v1(74.5,15.44) 73.47,15.44 72.65,16.26 72.65,25.15 72.85,25.35 U12.34
TM1650_SCL: length 2.7
  BOTTOM w0.203: U7.2 56.92,15.47 57.35,15.05 U6.7
TM1650_SDA: length 2.6
  BOTTOM w0.203: U7.3 55.55,14.2 56.9,14.2 57.25,14.55 U6.6
USART1_RX: length 28
  BOTTOM w0.203: U12.31 75.06,26.85 75.8,27.59 75.8,31.67 76.63,32.51 91.93,32.51 J2.4
USART1_TX: length 25.1
  BOTTOM w0.203: J2.3 89.79,32.91 76.46,32.91 75.39,31.84 75.39,27.89 74.85,27.35 U12.30
USART2_RX: length 43
  TOP w0.203: v1(82.9,28.2) v1(71.5,28.2)
  BOTTOM w0.203: v1(82.9,28.2) 96.4,28.2 97.5,27.1 U8.1 ; v1(71.5,28.2) 68.6,28.2 66.65,30.15 U12.13
USART2_TX: length 41.3
  TOP w0.203: v1(82.9,27.4) v1(71.5,27.4)
  BOTTOM w0.203: v1(82.9,27.4) 95,27.4 96,26.4 U8.2 ; U12.12 66.35,29.85 68.8,27.4 v1(71.5,27.4)
WK_UP: length 64.2
  BOTTOM w0.203: U12.28 72.65,28.35 72.3,28.7 72.3,29.9 74.1,31.7 74.1,34.7 72.7,36.1 58.5,36.1 56.8,34.4 54.3,34.4 53.5,35.2 53.5,39.3 53.1,39.7 45.4,39.7 43.3,37.6 40.7,37.6 39.3,36.2 29.9,36.2 27.7,38.4 SW1.3
N17026698: length 1.9
  BOTTOM w0.203: D4.1 R10.2
N17026724: length 1.9
  BOTTOM w0.203: D5.1 R12.2
N17062865: length 1.9
  BOTTOM w0.203: D3.1 R8.2
N17067274: length 2.2
  BOTTOM w0.203: C13.1 5.69,13.49 5.07,12.87 U10.1
N17067388: length 3.9
  BOTTOM w0.203: R20.2 R21.1 3.17,10.52 U10.3
N17067392: length 2.1
  BOTTOM w0.203: R19.2 2.49,14.39 3.17,15.07 U10.4
N17068207: length 1.4
  BOTTOM w0.203: R22.1 R21.2
N17069780: length 1.9
  BOTTOM w0.203: D6.1 R16.2
N17069783: length 32.1
  BOTTOM w0.203: U8.24 82.5,31 81.4,32.1 76.8,32.1 76.21,31.51 76.21,17.49 80,13.7 84.05,13.7 R16.1
N17087771: length 7.6
  BOTTOM w0.254: D8.2 44.95,36.15 ; 44.95,36.15 45.2,35.9 46.2,35.9 46.55,35.55 C11.1 46.7,32.1 U9.14 ; 44.95,36.15 D9.2
N17089700: length 1.5
  BOTTOM w0.203: R3.2 58.36,13.84 58.15,14.05 U6.5
N17094891: length 8.9
  BOTTOM w0.762: F2.1 F1.1 17.1,26.9 14.1,23.9 DC1.1
N17114620: length 12.5
  BOTTOM w0.203: D9.1 40.2,36.3 38.2,34.3
  BOTTOM w0.254: 38.2,34.3 31.4,34.3 31,33.9 BATT1.1
N170995481: length 3.8
  BOTTOM w0.203: D2.1 52.1,20.77 R5.2
N170995561: length 7.6
  BOTTOM w0.203: D2.2 53.17,19.3 Q1.3
N170997971: length 1.7
  BOTTOM w0.203: R6.2 52.13,26.93 D1.1
N170998051: length 11.8
  BOTTOM w0.203: Q2.3 60,21.2 58.1,23.1 55.4,23.1 54.6,23.9 54.6,28.53 D1.2

## Copper pours and planes (outline as drawn; the poured copper is in the pictures)
GND on TOP: 0.2,40.8 105.1,40.8 105.1,30.7 99.1,30.7 99.1,17.3 105.1,17.3 105.1,7 0.2,7 ; 13 cut-outs
GND on BOTTOM: 0.2,40.8 105.1,40.8 105.1,30.7 99.1,30.7 99.1,17.3 105.1,17.3 105.1,7 0.2,7 ; 27 cut-outs
VCC_3.3V on TOP: 54.8,25.8 32.7,25.8 31.2,24.3 31.2,12.7 31.5,12.4 33.4,12.4 33.7,12.7 33.7,23.2 35.1,24.6 54.6,24.6 55,25 55,25.6
VCC_3.3V on BOTTOM: 30.05,12.75 31.5,14.2 33.5,14.2 33.8,13.9 33.8,13.3 31,10.5 24.8,10.5 24.6,10.7 24.6,12.5 24.85,12.75
VCC_5V on BOTTOM: 18.3,12.4 17.3,12.4 16.9,12.8 13.5,12.8 13.3,13 13.3,16.1 11.8,16.1 11.8,11.8 18.3,11.8
N17067272 on BOTTOM: 4.8,14.6 4.8,15.9 7.6,18.7 9.3,18.7 9.4,18.6 9.4,11.8 7.9,11.8 7.9,14.1 7.7,14.3 5.1,14.3 ; 2 cut-outs

## Text on the board
Ref Des/Silkscreen Bottom: 5-24V | 5V | WKUP | 3V3 | F103_TUBE_CLOCK_V10A | 2020_04_31 | K0 | K1 | GND | CLK | TX | DIO | RX
BODY_CENTER: SCALE: NONE | Layers | Single Ended | Differential | If the angle of PCB board outline is circular,please use this kind of break out area | If not use it,please delete it before you gerber out | If the angle of PCB board outline is right angle,please use this kind of break out area | AS usual,please use the 0.8MM stamp Via | L1 | L4 | 5.00 | 50 | 4.2 | 6.00 | 100 | 4.70 | 90 | Trace Width | (Mils) | Impedance | (Ohms) | Trace Spacing | "Airgap" | A_TARGET:1.53 mm | ___ PUBI (PUBLIC INFORMATION) | ___ FIUO (HY INTERNAL USE ONLY) | ___ FCP (HY CONFIDENTIAL PROPRIETARY) | THIS DOCUMENT CONTAINS INFORMATION | PROPRIETARY TO FREESCALE AND SHALL | NOT BE USED FOR ENGINEERING DESIGN | PROCUREMENT OR MANUFACTURE IN WHOLE | OR IN PART WITHOUT THE CONSENT OF | NXP. | 1. THIS DRAWING SPECIFIES THE REQUIREMENTS FOR A | 2. THE PWB MUST BE LEAD FREE ASSEMBLY PROCESS COMPATIBLE AND MUST BE ABLE TO HANDLE | 3. BASE MATERIAL - LAMINATE AND PREPREG SHALL MEET IPC-4101B-26, 83 or 98 | Tg - MUST BE GREATER THAN OR EQUAL TO 150 DEGREES CELSIUS. | Td - MUST BE GREATER THAN OR EQUAL TO 330 DEGREES CELSIUS. | 4. COPPER FOIL WEIGHT - SEE STACKUP DETAIL 'A' | 5. CHARACTERISTIC IMPEDANCE - SEE DETAIL 'B' | 6. MINIMUM CONDUCTIVE WIDTH/SPACING TO BE .00X"/.00X" | 7. PLATING FINISH - BOTH SIDES ENIG (ELECTROLESS NICKEL IMMERSION GOLD): | 8. ALL THROUGH HOLE VIAS MAY BE PLATED SHUT. | - MUST BE UL RECOGNIZED AND MUST HAVE AN ID THAT CONFORMS TO UL94V-0 | 9. SOLDERMASK - GREEN COLOR (TAIYO OR EQUIVALENT), BOTH SIDES. | 10. SILKSCREEN - WHITE EPOXY INK, BOTH SIDES.  NO SILK ON PADS. | 11. ELECTRICAL TEST - 100% IPCD356. | 12. PRINTED WIRING BOARD IS TO BE INDIVIDUALLY BAGGED. | 13. DRC'S MUST BE RUN ON THE GERBER BEFORE BUILDING BOARDS, | UNLESS PRIOR APPROVAL IS GIVEN IN WRITING BY FREESCALE. | 14. ADD TEARDROPS TO ALL SIGNAL LAYERS. | 15. SOLDER SAMPLES TO BE PROVIDED. | 16. BASIC GRID INCREMENT AT 1:1 IS .0001. | 17. SUPPLIER MARKINGS - ON SOLDER SIDE ONLY, WHERE SHOWN. | MODIFICATION OF SOLDERMASK IS NOT ALLOWED WITHOUT WRITTEN PERMISSION FROM FREESCALE. | WITH SPECIFICATION IPC-A-600 CLASS 2 (LATEST REVISION). | A MINIMUM OF 5 CYCLES AT 260 DEGREES CELSIUS FOR 10 SECONDS. | 18. THE PWB WILL BE MARKED AS LEAD FREE BY USE OF AN INK STAMP Pb | 19. THE PWB WILL BE MARKED AS LEAD FREE PROCESS COMPATIBLE BY USE OF AN INK STAMP 260 C | 21. FINISHED PCB MUST BE PANELIZED FOR ASSEMBLY ACCORDING TO CONTRACT MANUFACTURING REQUIREMENT. | ADDITION OF .25" RAILS AND .125" NON-PLATED TOOLING HOLES ARE AT THE DISCRETION | OF CONTRACT MANUFACTURER AND FAB HOUSE. | PANELIZATION MUST BE APPROVED BY FREESCALE. | 2.540-6.350 MICRON (100-250 MICROINCH) OF NICKEL. | .05080-.232 MICRON (2-8 MICROINCH) OF GOLD OVER | PRINTED WIRING BOARD IN ACCORDANCE | 20. ALL PLATED AND NON-PLATED THROUGH HOLES ARE TO BE DRILLED AT PRIMARY DRILL STEP. | ALL HOLE LOCATION TOLERANCES ARE TO BE +/-.002 IN REFERENCE TO THE PRIMARY DATUM. | X | XXXLZJXXX | V10A | 19_02_15 | 19-02-15 | JLC:  1.6mm THK +/- 10% | LAYER 1  TOP SIDE          1oz+plating | LAYER 2  BOTTOM SIDE       1oz+plating | FINISHED Cu WEIGHT | NO-***** | 1/1 | CAD-***** | 1 | DETAIL A | LAYER STACKUP | DETAIL B | IMPEDANCE REQUIREMENTS | IMPEDANCE TOLERANCE IS 10% | DRV8711_TEST_V10A | FAB-***** | A2 | HYOC
DISPLAY_BOTTOM: FIGURE | FINISHED_SIZE | 0.3048 | 0.8 | 0.9 | 1.1 | 1.5 | 3.0x1.0 | DRILL CHART: TOP to BOTTOM | ALL UNITS ARE IN MILLIMETERS | ROTATION | - | 0.000 | 90.000 | PLATED | QTY | 194 | 44 | 6 | 8 | 1 | 2 | 261 | TOTAL HOLES:
